# KiCad board FreeDSP_INTEGRA_QUAD-PRO.kicad_pcb (continued)
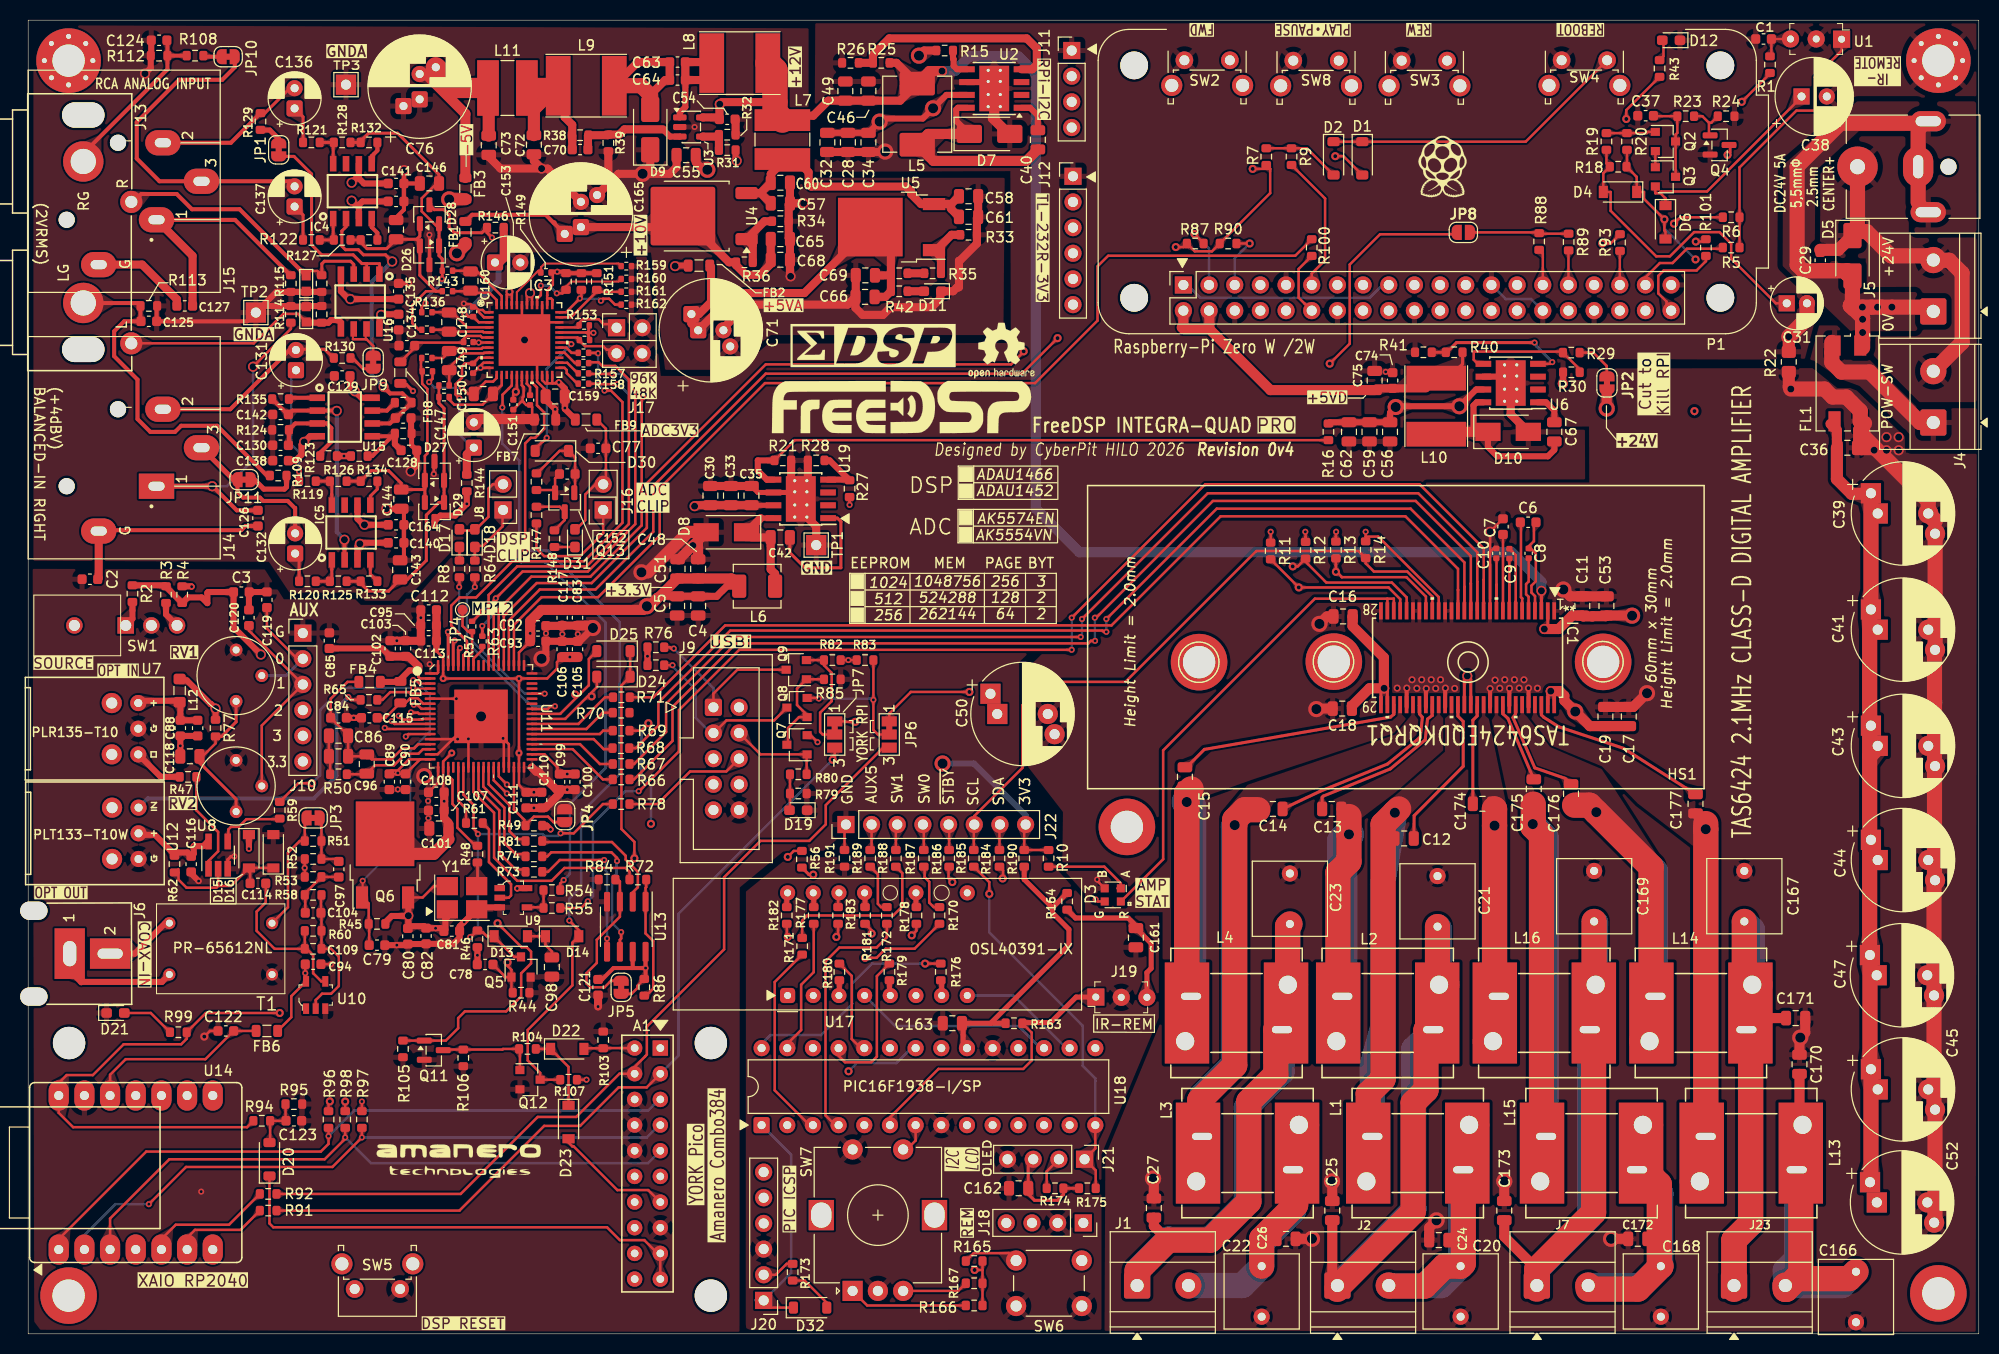
[diagram p0: board, top side]
## Library data of the parts (continued)
U2 U6 U19 = -: Datasheet: http://www.ti.com/lit/ds/symlink/tps5430.pdf; Description: SMPS for digital part; JLPCB#: C9864; ki_fp_filters: TI*SO*PowerPAD*ThermalVias*
U3 = -: Datasheet: https://www.ti.com/lit/ds/symlink/lm2611.pdf; Description: Negativer 3MHz SMPS; JLPCB#: C2072505; ki_fp_filters: SOT?23*
U4 U5 = -: Datasheet: https://datasheet.lcsc.com/lcsc/2304140030_UTC-Unisonic-Tech-LM317AG-TN3-R_C75510.pdf; Description: Voltage Regurator for Analog; JLPCB#: C77880; ki_fp_filters: TO?252*
U7 = -: Description: Optical S/PDIF RX (max. 16Mbps); JLPCB#: HAND; ki_fp_filters: OPT SPDIF RX
U8 = -: Datasheet: http://www.ti.com/lit/sg/scyt129e/scyt129e.pdf; Description: EXOR for Maerge S/PDIF Signals; JLPCB#: C73458; ki_fp_filters: SOT* SG-*
U9 = -: Datasheet: http://www.ti.com/lit/ds/symlink/sn74lvc1g04.pdf; Description: IC INVERTER 1CH 1-INP SOT23-5; JLPCB#: C434067; Digi-Key_PN: 296-11599-1-ND; MPN: SN74LVC1G04DBVR; Category: Integrated Circuits (ICs); Family: Logic - Gates and Inverters; DK_Datasheet_Link: http://www.ti.com/lit/ds/symlink/sn74lvc1g04.pdf; DK_Detail_Page: /product-detail/en/texas-instruments/SN74LVC1G04DBVR/296-11599-1-ND/385738; Description_1: IC INVERTER 1CH 1-INP SOT23-5; Manufacturer: Texas Instruments; Status: Active
U10 = -: Datasheet: http://www.ti.com/lit/ds/symlink/sn74lvc1g04.pdf; Description: IC INVERTER 1CH 1-INP SOT23-5; JLPCB#: C3007927; Digi-Key_PN: 296-11599-1-ND; MPN: SN74LVC1G04DBVR; Category: Integrated Circuits (ICs); Family: Logic - Gates and Inverters; DK_Datasheet_Link: http://www.ti.com/lit/ds/symlink/sn74lvc1g04.pdf; DK_Detail_Page: /product-detail/en/texas-instruments/SN74LVC1G04DBVR/296-11599-1-ND/385738; Description_1: IC INVERTER 1CH 1-INP SOT23-5; Manufacturer: Texas Instruments; Status: Active
U11 = -: Description: SigmaDSP; JLPCB#: C654414
U12 = -: Description: Optical S/PDIF TX (max. 16Mbps); JLPCB#: HAND; ki_fp_filters: OPT SPDIF TX
U13 = -: Datasheet: http://ww1.microchip.com/downloads/en/DeviceDoc/21832H.pdf; Description: Might be substitute with 256Mbit/512Mbit SPI EEPROM; JLPCB#: C219767
U14 = -: Datasheet: (Alternatve USB-Audio I/F) https://nw-electric.way-nifty.com/blog/files/usb_sound_card28fix_feedback_mclk_led29.uf2; Description: https://wiki.seeedstudio.com/XIAO-RP2040/; JLPCB#: -
U15 = -: Datasheet: http://www.ti.com/lit/ds/symlink/opa1612.pdf; Description: Dual SoundPlus High Performance, Bipolar-Input Audio Operational Amplifiers, SOIC-8; JLPCB#: C94590; ki_fp_filters: SOIC*3.9x4.9mm*P1.27mm* DIP*W7.62mm* TO*99* OnSemi*Micro8* TSSOP*3x3mm*P0.65mm* TSSOP*4.4x3mm*P0.65mm* MSOP*3x3mm*P0.65mm* SSOP*3.9x4.9mm*P0.635mm* LFCSP*2x2mm*P0.5mm* *SIP* SOIC*5.3x6.2mm*P1.27mm*
U16 = -: Description: Dual SoundPlus High Performance, Bipolar-Input Audio Operational Amplifiers, SOIC-8; JLPCB#: C94590; ki_fp_filters: SOIC*3.9x4.9mm*P1.27mm* DIP*W7.62mm* TO*99* OnSemi*Micro8* TSSOP*3x3mm*P0.65mm* TSSOP*4.4x3mm*P0.65mm* MSOP*3x3mm*P0.65mm* SSOP*3.9x4.9mm*P0.635mm* LFCSP*2x2mm*P0.5mm* *SIP* SOIC*5.3x6.2mm*P1.27mm*
U17 = -: Datasheet: https://akizukidenshi.com/goodsaffix/OSL40391-XX.PDF; Description: 4 digit 7 segment hyper red, common anode; JLPCB#: HAND; ki_fp_filters: LTC?4627J*
U18 = -: JLPCB#: HAND; ki_fp_filters: PIC16F1938-X/SP_MCH
Y1 = -: Datasheet: http://www.kyocera.co.jp/prdct/electro/pdf/clock_k_j.pdf; Description: 24.576MHz or 22.5792MHz TCXO 1.6 to 3.63 Volts; Supplier_Name: RS; Manufacturer_Name: AVX Corp/Kyocera Corp; Manufacturer_Part_Number: KC7050K50.0000C1GE00; JLPCB#: C2831388

## Footprints (pads in the part's own frame, mm; a bottom-side part is the same pattern mirrored in y, then rotated)
2MS1T1B4M7QES
  rect 1.635x1.635 hole 1.09: 1(0,0)
  round 1.635 hole 1.09: 2(0,2.54) 3(0,5.08) MH1(0,-5.08)
7G14C47
  round 4 hole 1.8: 1(-5.08,-2.794) 2(5.08,2.794)
  rect 4.4x10 smd: 1(-4.9,0) 2(4.9,0)
  rect 3x3 hole 2x0.7: 1(-4.5,1.65) 2(4.5,-1.65)
ACM9070
  rect 2x1.2 smd: 1(-3.75,1.27) 2(-3.75,-1.27) 3(3.75,1.27) 4(3.75,-1.27)
BarrelJack_2DC-G213-D42
  round 1.6 hole 1.6 unplated: (0,-9)
  round 4 hole 1.5: 1(0,0)
  oval 2x3.5 hole 1x2.5: 2(-4.5,-7) 2(4.5,-7)
  oval 4x3 hole 2.3x1: 2(0,-6)
C0603
  rect 0.9x0.9 smd: 1(-0.762,0) 2(0.762,0)
C_0402_1005Metric
  rrect 0.56x0.62 smd: 1(-0.48,0) 2(0.48,0)
C_0603_1608Metric
  rrect 0.9x0.95 smd: 1(-0.775,0) 2(0.775,0)
C_0805_2012Metric
  rrect 1x1.45 smd: 1(-0.95,0) 2(0.95,0)
C_Rect_L7.2mm_W7.2mm_P5.00mm_FKS2_FKP2_MKS2_MKP2
  round 1.6 hole 0.8: 1(0,0) 2(5,0)
Combo384
  round 3.2 hole 3.2 unplated: (-0.5,-5) (-0.5,58.5) (24.5,-5)
  rect 1.524x1.524 hole 0.762: 1(0,0)
  round 1.524 hole 0.762: 2(2.54,0) 3(5.08,0) 4(7.62,0) 5(10.16,0) 6(12.7,0) 7(15.24,0) 8(17.78,0) 9(20.32,0) 10(22.86,0) 11(0,2.54) 12(2.54,2.54) 13(5.08,2.54) 14(7.62,2.54) 15(10.16,2.54) 16(12.7,2.54) 17(15.24,2.54) 18(17.78,2.54) 19(20.32,2.54) 20(22.86,2.54)
CP_Radial_D5.0mm_P2.00mm
  rect 1.6x1.6 hole 0.8: 1(0,0)
  round 1.6 hole 0.8: 2(2,0)
CP_Radial_D5.0mm_P2.00mm#2
  rrect 1.6x1.6 hole 0.8: 1(0,0)
  round 1.6 hole 0.8: 2(2,0)
CP_Radial_D5.0mm_P2.50mm
  rrect 1.6x1.6 hole 0.8: 1(0,0)
  round 1.6 hole 0.8: 2(2.5,0)
CP_Radial_D7.5mm_P2.50mm
  rect 1.6x1.6 hole 0.8: 1(0,0)
  round 1.6 hole 0.8: 2(2.5,0)
CP_Radial_D10.0mm_P2.50mm_P5.00mm
  rrect 1.6x1.6 hole 0.8: 1(-0.671,1.6) 1(0,0)
  round 1.6 hole 0.8: 2(2.5,0) 2(3.171,-1.6)
CP_Radial_D10.0mm_P5.00mm_P7.50mm
  rect 2x2 hole 1: 1(-0.672,2) 1(0,0)
  round 2 hole 1: 2(5,0) 2(5.672,-2)
Crystal_SMD_TXC_7M-4pin_3.2x2.5mm_HandSoldering
  rect 2.1x1.8 smd: 1(-1.45,-1.15) 2(1.45,-1.15) 3(1.45,1.15) 4(-1.45,1.15)
D_SMA
  rect 2.5x1.8 smd: 1(-2,0) 2(2,0)
D_SMA#2
  rrect 2.5x1.8 smd: 1(-2,0) 2(2,0)
D_SOD-123
  rect 0.9x1.2 smd: 1(-1.65,0) 2(1.65,0)
D_SOD-123#2
  rrect 0.9x1.2 smd: 1(-1.65,0) 2(1.65,0)
DIP-28_W7.62mm
  rrect 1.6x1.6 hole 0.8: 1(0,0)
  round 1.6 hole 0.8: 2(0,-2.54) 3(0,-5.08) 4(0,-7.62) 5(0,-10.16) 6(0,-12.7) 7(0,-15.24) 8(0,-17.78) 9(0,-20.32) 10(0,-22.86) 11(0,-25.4) 12(0,-27.94) 13(0,-30.48) 14(0,-33.02) 15(7.62,-33.02) 16(7.62,-30.48) 17(7.62,-27.94) 18(7.62,-25.4) 19(7.62,-22.86) 20(7.62,-20.32) 21(7.62,-17.78) 22(7.62,-15.24) 23(7.62,-12.7) 24(7.62,-10.16) 25(7.62,-7.62) 26(7.62,-5.08) 27(7.62,-2.54) 28(7.62,0)
IDC-Header_2x05_P2.54mm_Vertical
  rrect 1.7x1.7 hole 1: 1(0,0)
  round 1.7 hole 1: 2(2.54,0) 3(0,-2.54) 4(2.54,-2.54) 5(0,-5.08) 6(2.54,-5.08) 7(0,-7.62) 8(2.54,-7.62) 9(0,-10.16) 10(2.54,-10.16)
IR_Receiver_TSOP38238
  rect 1.7x1.7 hole 0.7: 1(0.025,0.025)
  round 1.7 hole 0.7: 2(2.54,0) 3(5.08,0)
L_0805_2012Metric
  rrect 0.875x1.2 smd: 1(-1.062,0) 2(1.062,0)
L_0805_2012Metric_Pad1.05x1.20mm_HandSolder
  rrect 1.05x1.2 smd: 1(-1.15,0) 2(1.15,0)
L_Chilisin_BMRB00060650
  rrect 2.35x3.5 smd: 1(-3.025,0) 2(3.025,0)
L_Ferrocore_DLG-0504
  rect 2.15x5.5 smd: 1(-1.925,0) 2(1.925,0)
L_Taiyo-Yuden_NR-60xx_HandSoldering
  rect 2.45x5.9 smd: 1(-2.775,0) 2(2.775,0)
L_TechFuse_SL0420
  rrect 1.4x2.3 smd: 1(-1.775,0) 2(1.775,0)
LED_0603_1608Metric_Pad1.05x0.95mm_HandSolder
  rrect 1.05x0.95 smd: 1(-0.875,0) 2(0.875,0)
LED_0603_ABGR
  rect 0.8x0.8 smd: 1(-0.8,-0.65) 2(0.8,-0.65) 3(0.8,0.65) 4(-0.8,0.65)
LFCSP-72-1EP_10x10mm_P0.5mm_EP5.3x5.3mmL_HandSolder
  rrect 1.42x1.42 smd: (-1.77,1.77) (-1.77,0) (-1.77,-1.77) (0,1.77) (0,0) (0,-1.77) (1.77,1.77) (1.77,0) (1.77,-1.77)
  rrect 1.075x0.25 smd: 1(-5.037,4.25) 2(-5.037,3.75) 3(-5.037,3.25) 4(-5.037,2.75) 5(-5.037,2.25) 6(-5.037,1.75) 7(-5.037,1.25) 8(-5.037,0.75) 9(-5.037,0.25) 10(-5.037,-0.25) 11(-5.037,-0.75) 12(-5.037,-1.25) 13(-5.037,-1.75) 14(-5.037,-2.25) 15(-5.037,-2.75) 16(-5.037,-3.25) 17(-5.037,-3.75) 18(-5.037,-4.25) 37(5.037,-4.25) 38(5.037,-3.75) 39(5.037,-3.25) 40(5.037,-2.75) 41(5.037,-2.25) 42(5.037,-1.75) 43(5.037,-1.25) 44(5.037,-0.75) 45(5.037,-0.25) 46(5.037,0.25) 47(5.037,0.75) 48(5.037,1.25) 49(5.037,1.75) 50(5.037,2.25) 51(5.037,2.75) 52(5.037,3.25) 53(5.037,3.75) 54(5.037,4.25)
  rrect 0.25x1.075 smd: 19(-4.25,-5.037) 20(-3.75,-5.037) 21(-3.25,-5.037) 22(-2.75,-5.037) 23(-2.25,-5.037) 25(-1.25,-5.037) 26(-0.75,-5.037) 27(-0.25,-5.037) 28(0.25,-5.037) 29(0.75,-5.037) 30(1.25,-5.037) 31(1.75,-5.037) 32(2.25,-5.037) 33(2.75,-5.037) 34(3.25,-5.037) 35(3.75,-5.037) 36(4.25,-5.037) 55(4.25,5.037) 56(3.75,5.037) 57(3.25,5.037) 58(2.75,5.037) 59(2.25,5.037) 60(1.75,5.037) 61(1.25,5.037) 62(0.75,5.037) 63(0.25,5.037) 64(-0.25,5.037) 65(-0.75,5.037) 66(-1.25,5.037) 67(-1.75,5.037) 68(-2.25,5.037) 69(-2.75,5.037) 70(-3.25,5.037) 71(-3.75,5.037) 72(-4.25,5.037)
  rrect 0.25x1 smd: 24(-1.75,-5.037)
  rect 5.3x5.3 smd: 73(0,0)
LTC-4627Jx
  rrect 1.5x1.5 hole 0.7: 1(0,0)
  round 1.5 hole 0.7: 2(0,-2.54) 3(0,-5.08) 4(0,-7.62) 5(0,-10.16) 6(0,-12.7) 7(0,-15.24) 8(0,-17.78) 9(10.16,-17.78) 11(10.16,-12.7) 13(10.16,-7.62) 14(10.16,-5.08) 15(10.16,-2.54) 16(10.16,0)
MJ-518A
  oval 2.5x4.2 hole 2.5x4.2 unplated: (-11.6,-0.039) (11.6,-0.039)
  round 2.2 hole 1.2: 1(3,-4.789) 3(-11,-4.789)
  round 4 hole 2.5: 2(7,-0.039) 4(-7,-0.039)
MountingHole_3.2mm_M3_DIN965_Pad
  round 5.6 hole 3.2: 1(0,0)
MountingHole_3.2mm_M3_DIN965_Pad_TopBottom
  round 3.6 hole 3.2: 1(0,0)
  round 5.6 smd: 1(0,0)
  round 5.6 smd far side: 1(0,0)
MountingHole_3.2mm_M3_Pad_Via
  round 0.8 hole 0.5: 1(-2.4,0) 1(-1.697,1.697) 1(-1.697,-1.697) 1(0,2.4) 1(0,-2.4) 1(1.697,1.697) 1(1.697,-1.697) 1(2.4,0)
  round 6.4 hole 3.2: 1(0,0)
MPJ-8004-3P
  round 1.6 hole 1.6 unplated: (-3.81,-3.11) (3.81,-8.19)
  oval 2.5x3.5 hole 0.9x1.6: 1(3.81,0.7) 2(-3.81,1.33) 3(0,5.15) G(8.25,-5.02)
MPJ-8004-3P#2
  round 1.6 hole 1.6 unplated: (-3.81,-3.11) (3.81,-8.19)
  rect 2.5x3.5 hole 0.9x1.6: 1(3.81,0.7)
  oval 2.5x3.5 hole 0.9x1.6: 2(-3.81,1.33) 3(0,5.15) G(8.25,-5.02)
PE65612NL
  round 1.2 hole 0.7: 1(0,0) 2(0,5.08) 3(10.16,0) 4(10.16,5.08)
PinHeader_1x02_P2.54mm_Vertical
  rect 1.7x1.7 hole 1: 1(0,0)
  oval 1.7x1.7 hole 1: 2(0,-2.54)
PinHeader_1x04_P2.54mm_Vertical
  rect 1.7x1.7 hole 1: 1(0,0)
  oval 1.7x1.7 hole 1: 2(0,-2.54) 3(0,-5.08) 4(0,-7.62)
PinHeader_1x04_P2.54mm_Vertical#2
  rect 1.7x1.7 hole 1: 1(0,0)
  round 1.7 hole 1: 2(0,-2.54) 3(0,-5.08) 4(0,-7.62)
PinHeader_1x06_P2.54mm_Vertical
  rect 1.7x1.7 hole 1: 1(0,0)
  round 1.7 hole 1: 2(0,-2.54) 3(0,-5.08) 4(0,-7.62) 5(0,-10.16) 6(0,-12.7)
PinHeader_1x06_P2.54mm_Vertical#2
  rect 1.7x1.7 hole 1: 1(0,0)
  oval 1.7x1.7 hole 1: 2(0,-2.54) 3(0,-5.08) 4(0,-7.62) 5(0,-10.16) 6(0,-12.7)
PinHeader_1x08_P2.54mm_Vertical
  rect 1.7x1.7 hole 1: 1(0,0)
  round 1.7 hole 1: 2(0,-2.54) 3(0,-5.08) 4(0,-7.62) 5(0,-10.16) 6(0,-12.7) 7(0,-15.24) 8(0,-17.78)
PinHeader_2x01_P2.54mm_Vertical
  rect 1.7x1.7 hole 1: 1(0,0)
  round 1.7 hole 1: 2(2.54,0)
PinHeader_2x02_P2.54mm_Vertical
  rect 1.7x1.7 hole 1: 1(0,0)
  round 1.7 hole 1: 2(2.54,0) 3(0,-2.54) 4(2.54,-2.54)
PinSocket_1x04_P2.54mm_Vertical
  rect 1.7x1.7 hole 1: 1(0,0)
  round 1.7 hole 1: 2(0,-2.54) 3(0,-5.08) 4(0,-7.62)
PLR135-T10
  round 2 hole 1.1: (-2.54,2.62) (2.54,2.62)
  round 1.6 hole 0.8: 1(2.54,0) 2(0,0) 3(-2.54,0)
PLT133-T10W
  round 2 hole 1.1: (-2.54,2.62) (2.54,2.62)
  round 1.6 hole 0.8: 1(2.54,0) 2(0,0) 3(-2.54,0)
Potentiometer_Trimmer_Bourns_3339P_Horizontal
  round 1.26 hole 0.7: 1(0,0) 2(-2.54,2.54) 3(0,5.08)
QFN48_AKM
  rect 0.813x0.254 smd: 1(-3.454,2.75) 2(-3.454,2.25) 3(-3.454,1.75) 4(-3.454,1.25) 5(-3.454,0.75) 6(-3.454,0.25) 7(-3.454,-0.25) 8(-3.454,-0.75) 9(-3.454,-1.25) 10(-3.454,-1.75) 11(-3.454,-2.25) 12(-3.454,-2.75) 25(3.454,-2.75) 26(3.454,-2.25) 27(3.454,-1.75) 28(3.454,-1.25) 29(3.454,-0.75) 30(3.454,-0.25) 31(3.454,0.25) 32(3.454,0.75) 33(3.454,1.25) 34(3.454,1.75) 35(3.454,2.25) 36(3.454,2.75)
  rect 0.254x0.813 smd: 13(-2.75,-3.454) 14(-2.25,-3.454) 15(-1.75,-3.454) 16(-1.25,-3.454) 17(-0.75,-3.454) 18(-0.25,-3.454) 19(0.25,-3.454) 20(0.75,-3.454) 21(1.25,-3.454) 22(1.75,-3.454) 23(2.25,-3.454) 24(2.75,-3.454) 37(2.75,3.454) 38(2.25,3.454) 39(1.75,3.454) 40(1.25,3.454) 41(0.75,3.454) 42(0.25,3.454) 43(-0.25,3.454) 44(-0.75,3.454) 45(-1.25,3.454) 46(-1.75,3.454) 47(-2.25,3.454) 48(-2.75,3.454)
  rect 5.105x5.105 smd: 49(0,0)
R_0402_1005Metric
  rrect 0.54x0.64 smd: 1(-0.51,0) 2(0.51,0)
R_0603_1608Metric
  rrect 0.8x0.95 smd: 1(-0.825,0) 2(0.825,0)
R_0805_2012Metric_Pad1.20x1.40mm_HandSolder
  rrect 1.2x1.4 smd: 1(-1,0) 2(1,0)
Raspberry_Pi_Zero_Socketed_THT_FaceDown_MountingHoles
  round 2.75 hole 2.75 unplated: (-1.27,4.87) (-1.27,-53.13) (21.73,4.87) (21.73,-53.13)
  rect 1.7x1.7 hole 1: 1(0,0)
  oval 1.7x1.7 hole 1: 2(-2.54,0) 3(0,-2.54) 4(-2.54,-2.54) 5(0,-5.08) 6(-2.54,-5.08) 7(0,-7.62) 8(-2.54,-7.62) 9(0,-10.16) 10(-2.54,-10.16) 11(0,-12.7) 12(-2.54,-12.7) 13(0,-15.24) 14(-2.54,-15.24) 15(0,-17.78) 16(-2.54,-17.78) 17(0,-20.32) 18(-2.54,-20.32) 19(0,-22.86) 20(-2.54,-22.86) 21(0,-25.4) 22(-2.54,-25.4) 23(0,-27.94) 24(-2.54,-27.94) 25(0,-30.48) 26(-2.54,-30.48) 27(0,-33.02) 28(-2.54,-33.02) 29(0,-35.56) 30(-2.54,-35.56) 31(0,-38.1) 32(-2.54,-38.1) 33(0,-40.64) 34(-2.54,-40.64) 35(0,-43.18) 36(-2.54,-43.18) 37(0,-45.72) 38(-2.54,-45.72) 39(0,-48.26) 40(-2.54,-48.26)
RJ-2410N
  oval 1.8x2.7 hole 1.8x2.7 unplated: (-4.25,-0.45) (4.25,-0.45)
  rect 3x4 hole 1x2.5: 1(0,-8)
  rect 5x3 hole 2.5x1.3: 2(0,-4)
RotaryEncoder_TT-Ele_EN11-HSB1AF15
  rect 2x2 hole 1: A(0,0)
  round 2 hole 1: B(0,-5) C(0,-2.5) D(14,0) E(14,-5)
  rect 3x2.5 hole 2.5x2: MP(7.5,3.1) MP(7.5,-8.1)
SOIC127P600X175-8N
  rect 1.525x0.65 smd: 1(-2.712,1.905) 2(-2.712,0.635) 3(-2.712,-0.635) 4(-2.712,-1.905) 5(2.712,-1.905) 6(2.712,-0.635) 7(2.712,0.635) 8(2.712,1.905)
SOIC-8_3.9x4.9mm_P1.27mm
  rrect 1.95x0.6 smd: 1(-2.475,1.905) 2(-2.475,0.635) 3(-2.475,-0.635) 4(-2.475,-1.905) 5(2.475,-1.905) 6(2.475,-0.635) 7(2.475,0.635) 8(2.475,1.905)
SolderJumper-2_P1.3mm_Bridged_RoundedPad1.0x1.5mm
  custom 1x1.5 smd: 1(-0.65,0) 2(0.65,0)
SolderJumper-2_P1.3mm_Open_RoundedPad1.0x1.5mm
  custom 1x1.5 smd: 1(-0.65,0) 2(0.65,0)
SolderJumper-3_P1.3mm_Bridged12_Pad1.0x1.5mm_NumberLabels
  rect 1x1.5 smd: 1(-1.3,0) 2(0,0) 3(1.3,0)
SOT-23
  rect 0.9x0.8 smd: 1(-1,0.95) 2(-1,-0.95) 3(1,0)
SOT-23#2
  rrect 1.475x0.6 smd: 1(-0.938,0.95) 2(-0.938,-0.95) 3(0.938,0)
SOT-23-5
  rrect 1.325x0.6 smd: 1(-1.137,0.95) 2(-1.137,0) 3(-1.137,-0.95) 4(1.137,-0.95) 5(1.137,0.95)
SOT-23-5_HandSoldering
  rect 1.56x0.65 smd: 1(-1.35,0.95) 2(-1.35,0) 3(-1.35,-0.95) 4(1.35,-0.95) 5(1.35,0.95)
SOT-753
  rect 0.6x1.05 smd: 1(-0.95,-1.35) 2(0,-1.35) 3(0.95,-1.35) 4(0.95,1.35) 5(-0.95,1.35)
SW_PUSH_6mm_H4.3mm
  round 2 hole 1.1: 1(0,0) 1(6.5,0) 2(0,-4.5) 2(6.5,-4.5)
SW_Tactile_SPST_Angled_PTS645Vx83-2LFS
  round 2.1 hole 1.3: (-1.25,-2.49) (5.76,-2.49)
  round 1.75 hole 0.99: 1(0,0) 2(4.5,0)
TAS6424QDKQ56_TEX-L
  rect 1.692x0.37 smd: 1(-4.641,8.572) 2(-4.641,7.938) 3(-4.641,7.303) 4(-4.641,6.668) 5(-4.641,6.032) 6(-4.641,5.397) 7(-4.641,4.763) 8(-4.641,4.128) 9(-4.641,3.493) 10(-4.641,2.857) 11(-4.641,2.223) 12(-4.641,1.587) 13(-4.641,0.953) 14(-4.641,0.318) 15(-4.641,-0.318) 16(-4.641,-0.953) 17(-4.641,-1.587) 18(-4.641,-2.223) 19(-4.641,-2.857) 20(-4.641,-3.493) 21(-4.641,-4.128) 22(-4.641,-4.763) 23(-4.641,-5.397) 24(-4.641,-6.032) 25(-4.641,-6.668) 26(-4.641,-7.303) 27(-4.641,-7.938) 28(-4.641,-8.572) 29(4.641,-8.572) 30(4.641,-7.938) 31(4.641,-7.303) 32(4.641,-6.668) 33(4.641,-6.032) 34(4.641,-5.397) 35(4.641,-4.763) 36(4.641,-4.128) 37(4.641,-3.493) 38(4.641,-2.857) 39(4.641,-2.223) 40(4.641,-1.587) 41(4.641,-0.953) 42(4.641,-0.318) 43(4.641,0.318) 44(4.641,0.953) 45(4.641,1.587) 46(4.641,2.223) 47(4.641,2.857) 48(4.641,3.493) 49(4.641,4.128) 50(4.641,4.763) 51(4.641,5.397) 52(4.641,6.032) 53(4.641,6.668) 54(4.641,7.303) 55(4.641,7.938) 56(4.641,8.572)
TerminalBlock_Phoenix_MKDS-1,5-2-5.08_1x02_P5.08mm_Horizontal
  rrect 2.6x2.6 hole 1.3: 1(0,0)
  round 2.6 hole 1.3: 2(5.08,0)
TestPoint_Pad_D1.0mm
  round 1 smd: 1(0,0)
TestPoint_THTPad_2.0x2.0mm_Drill1.0mm
  rect 2x2 hole 1: 1(0,0)
TI_SO-PowerPAD-8_ThermalVias
  rect 1.55x0.6 smd: 1(-2.7,1.905) 2(-2.7,0.635) 3(-2.7,-0.635) 4(-2.7,-1.905) 5(2.7,-1.905) 6(2.7,-0.635) 7(2.7,0.635) 8(2.7,1.905)
  round 0.6 hole 0.3: 9(-0.6,1.8) 9(-0.6,0.6) 9(-0.6,-0.7) 9(-0.6,-1.8) 9(0.6,1.8) 9(0.6,0.6) 9(0.6,-0.7) 9(0.6,-1.8)
  rect 2.6x3.1 smd: 9(0,0)
  rect 2.95x4.5 smd: 9(0,0)
  rect 2.95x4.5 smd far side: 9(0,0)
TO-252-2
  rect 3.05x2.75 smd: (0.425,1.525) (0.425,-1.525) (3.775,1.525) (3.775,-1.525)
  rect 2.2x1.2 smd: 1(-4.2,2.28) 3(-4.2,-2.28)
  rect 6.4x5.8 smd: 2(2.1,0)
TO-252-2#2
  rrect 3.05x2.75 smd: (-0.415,1.525) (-0.415,-1.525) (2.935,1.525) (2.935,-1.525)
  rrect 2.2x1.2 smd: 1(-5.04,2.28) 3(-5.04,-2.28)
  rrect 6.4x5.8 smd: 2(1.26,0)
XIAO_RP2040
  oval 2x3 hole 0.9: 1(-7.62,-7.62) 2(-5.08,-7.62) 3(-2.54,-7.62) 4(0,-7.62) 5(2.54,-7.62) 6(5.08,-7.62) 7(7.62,-7.62) 8(7.62,7.62) 9(5.08,7.62) 10(2.54,7.62) 11(0,7.62) 12(-2.54,7.62) 13(-5.08,7.62) 14(-7.62,7.62)

## Nets
+3.3V: C4.2 C5.1 C48.2 C51.1 C77.2 C78.1 C80.2 C81.2 C82.2 C83.2 C85.2 C89.1 C90.2 C92.1 C93.2 C94.2 C99.1 C100.2 C102.1 C103.2 C116.2 C117.1 C121.2 D15.1 D17.2 D18.2 D31.2 FB4.1 FB5.1 FB6.2 FB9.2 IC1.19 J8.2 J10.6 J16.2 J22.8 JP5.2 L6.1 L12.2 Q6.3 Q7.2 R4.1 R10.2 R11.1 R12.1 R13.1 R14.1 R15.1 R27.1 R45.2 R46.2 R49.1 R62.1 R75.2 R76.1 R77.2 R82.2 R83.1 R86.2 R107.1 R190.2 U8.5 U9.5 U10.5 U11.2 U11.18 U11.38 U11.56 U12.2 U13.7 U13.8 Y1.1 Y1.4
+3.3VP: J11.2 P1.1 P1.17 R1.1 R7.1 R87.2 R90.1
+5V: C74.2 C75.1 L10.1 P1.2 P1.4 R40.1 R43.1
+5VA: D28.3 D29.3 FB2.2 FB8.1 R31.2 R110.1 R123.1 R144.2 R146.2
+10V: C129.2 C134.2 C139.2 C140.2 FB1.2 IC4.3 IC5.3 U15.8 U16.8
+12V: C46.2 C49.1 C54.1 C55.1 IC1.3 L5.1 L7.2 L8.2 R25.1 U3.5
+24V: C11.1 C16.1 C17.1 C18.1 C19.1 C28.1 C30.1 C32.1 C33.1 C34.2 C35.2 C36.1 C39.1 C41.1 C43.1 C44.1 C45.1 C47.1 C50.1 C52.1 C53.2 C56.1 C59.1 C62.2 D4.1 D6.2 FL1.4 IC1.2 IC1.29 IC1.30 IC1.42 IC1.43 IC1.55 IC1.56 JP2.2 R16.1 R18.1 R20.1 U2.7 U6.7 U19.7
-5VA: C130.2 C135.2 C141.2 C164.1 FB3.2 IC4.6 IC5.6 U15.4 U16.4
/YAM_DSP-ADC_IO/DVDD: C95.2 C101.2 C105.1 C106.2 C107.1 C108.2 C110.1 C111.2 C112.1 C113.2 Q6.2 U11.20 U11.35 U11.53 U11.71
/YAM_DSP-ADC_IO/VBUS: A1.1 R94.2 R99.1 U14.14
GND: A1.8 A1.13 A1.14 A1.15 C1.2 C2.1 C3.2 C4.1 C5.2 C28.2 C30.2 C31.2 C32.2 C33.2 C34.1 C35.1 C37.1 C38.2 C46.1 C48.1 C49.2 C51.2 C56.2 C59.2 C62.1 C74.1 C75.2 C77.1 C79.1 C80.1 C81.1 C82.1 C83.1 C84.2 C85.1 C87.2 C88.2 C89.2 C90.1 C92.2 C93.1 C94.1 C95.1 C98.1 C99.2 C100.1 C101.1 C102.2 C103.1 C105.2 C106.1 C107.2 C108.1 C110.2 C111.1 C112.2 C113.1 C115.2 C116.1 C117.2 C118.2 C119.2 C120.2 C121.1 C122.1 C123.1 C152.2 C159.2 D7.2 D8.2 D10.2 D12.1 D16.2 D19.1 D21.1 FB7.2 H7.1 IC3.21 IC3.34 IC3.39 IC3.43 IC3.49 J9.10 J10.1 J11.1 J12.1 J17.2 J17.4 J22.1 JP4.1 P1.6 P1.9 P1.14 P1.20 P1.25 P1.30 P1.34 P1.39 Q4.2 Q5.2 Q11.2 Q12.2 Q13.2 R21.2 R22.1 R24.2 R26.2 R28.2 R30.2 R41.2 R44.2 R52.2 R53.2 R79.1 R84.2 R85.1 R95.2 R103.1 R105.2 R106.2 R145.2 R159.2 R160.2 R161.2 R162.2 R191.2 RV1.1 RV2.1 SW1.2 SW2.1 SW3.1 SW4.1 SW5.1 SW8.1 T1.3 TP1.1 U1.2 U2.6 U2.9 U6.6 U6.9 U7.2 U8.3 U9.3 U10.3 U11.1 U11.6 U11.14 U11.17 U11.19 U11.25 U11.32 U11.33 U11.36 U11.37 U11.54 U11.55 U11.72 U11.73 U12.3 U13.4 U14.13 U19.6 U19.9 Y1.2
GNDA: C54.2 C55.2 C57.2 C58.2 C60.2 C61.2 C65.2 C66.2 C68.2 C69.2 C71.2 C72.2 C73.2 C76.1 C124.1 C125.1 C128.2 C129.1 C130.1 C133.2 C134.1 C135.1 C138.2 C139.1 C140.1 C141.1 C142.2 C143.2 C144.1 C145.2 C146.1 C147.2 C151.1 C153.2 C154.2 C155.2 C156.2 C157.2 C158.2 C164.2 C165.2 D9.1 D11.1 D26.3 D27.3 FB7.1 IC3.1 IC3.2 IC3.7 IC3.11 IC3.12 IC3.18 R32.1 R33.1 R34.1 R39.2 R111.2 R112.2 R113.2 R114.2 R115.2 R116.2 R117.2 R124.2 RV3.2 RV4.2 TP2.1 TP3.1 U3.2
GNDD: C161.2 C162.1 C163.2 J18.2 J19.2 J20.3 J21.4 R191.1 SW6.1 SW7.C SW7.D U18.8 U18.19
GNDS: C7.1 C10.1 C11.2 C16.2 C17.2 C18.2 C19.2 C20.1 C21.1 C22.1 C23.1 C24.1 C25.1 C26.1 C27.1 C36.2 C39.2 C41.2 C43.2 C44.2 C45.2 C47.2 C50.2 C52.2 C53.1 C166.1 C167.1 C168.1 C169.1 C170.1 C171.1 C172.1 C173.1 D3.2 FL1.3 IC1.1 IC1.11 IC1.17 IC1.18 IC1.22 IC1.23 IC1.28 IC1.33 IC1.36 IC1.39 IC1.46 IC1.49 IC1.52 R22.2
VDD: C162.2 C163.1 J20.2 J21.3 R163.1 R164.1 R165.1 R166.1 R167.1 R173.2 R174.1 R175.1 R190.1 U18.20
+VSW: A1.9 A1.10 D20.1
/Audio_ADC/ADC_3V3: C151.2 C159.1 FB9.1 IC3.17 IC3.22 IC3.23 IC3.24 IC3.32 IC3.37 IC3.38 IC3.41 IC3.42 IC3.45 IC3.46 R149.1 R150.1 R151.1 R152.1 R153.1 R154.1
/Audio_ADC/ADC_BIAS: C133.1 IC4.2 R118.1 U15.6
/Audio_ADC/LEFT_COLD: C137.2 J15.3 JP10.2
/Audio_ADC/LEFT_HOT: C136.2 J15.2 R129.1
/Audio_ADC/OVF: D30.2 IC3.30
/Audio_ADC/RIGHT_COLD: C132.2 J14.3 JP11.2
/Audio_ADC/RIGHT_HOT: C131.2 J14.2 R130.1
/Micom_DIsplay/AMP_STBY: R186.1 U18.18
/Micom_DIsplay/DIG1: U17.1 U18.11
/Micom_DIsplay/DIG2: U17.2 U18.12
/Micom_DIsplay/DIG3: U17.6 U18.13
/Micom_DIsplay/DIG4: U17.8 U18.16
/Micom_DIsplay/DIG5: U17.4 U18.17
/Micom_DIsplay/ICSP_CLK: J20.5 R177.2 U18.27
/Micom_DIsplay/ICSP_DAT: J20.4 R176.2 U18.28
/Micom_DIsplay/IR_SENS: J19.1 R163.2 U18.6
/Micom_DIsplay/MCLR: D32.1 J20.1 U18.1
/Micom_DIsplay/MODE_SW: J18.4 R165.2 SW6.2 SW7.E U18.7
/Micom_DIsplay/PIC_SCL: J21.1 R175.2 R185.1 U18.14
/Micom_DIsplay/PIC_SDA: J21.2 R174.2 R184.1 U18.15
/Micom_DIsplay/RENC_A: J18.1 R166.2 SW7.A U18.10
/Micom_DIsplay/RENC_B: J18.3 R167.2 SW7.B U18.9
/Micom_DIsplay/SEG-a: R183.1 U17.14
/Micom_DIsplay/SEG-b: R182.1 U17.16
/Micom_DIsplay/SEG-c: R181.1 U17.13
/Micom_DIsplay/SEG-d: R180.1 U17.3
/Micom_DIsplay/SEG-dp: R176.1 U17.7
/Micom_DIsplay/SEG-e: R179.1 U17.5
/Micom_DIsplay/SEG-f: R178.1 U17.11
/Micom_DIsplay/SEG-g: R177.1 U17.15
/Micom_DIsplay/SEL_BIT0: R170.2 R187.1
/Micom_DIsplay/SEL_BIT1: R171.2 R188.1
/Micom_DIsplay/SEL_CTRL: R172.2 R189.1
/YAM_DSP-ADC_IO/958RX: R59.1 U11.4
/YAM_DSP-ADC_IO/958TX: R65.2 U12.1
/YAM_DSP-ADC_IO/AES_COLD: J6.2 T1.1
/YAM_DSP-ADC_IO/AES_HOT: J6.1 T1.2
/YAM_DSP-ADC_IO/BCK_USB: A1.4 R97.2 U14.2
/YAM_DSP-ADC_IO/DAT_USB: A1.3 R96.2 U14.1
/YAM_DSP-ADC_IO/EEPROM_1: R72.1 R86.1 U13.1
/YAM_DSP-ADC_IO/EEPROM_2: R81.2 U11.29
/YAM_DSP-ADC_IO/EEPROM_5: R73.1 U13.5
/YAM_DSP-ADC_IO/EEPROM_6: R74.1 U13.6
/YAM_DSP-ADC_IO/GPIO4(GCLK): P1.7
/YAM_DSP-ADC_IO/GPIO5: P1.29 R88.2
/YAM_DSP-ADC_IO/GPIO6: P1.31 R89.2
/YAM_DSP-ADC_IO/GPIO7(SPI1_CE_N): P1.26
/YAM_DSP-ADC_IO/GPIO8(SPI0_CE_N): P1.24
/YAM_DSP-ADC_IO/GPIO9(SPI0_MISO): P1.21
/YAM_DSP-ADC_IO/GPIO10(SPI0_MOSI): P1.19
/YAM_DSP-ADC_IO/GPIO11(SPI0_SCK): P1.23
/YAM_DSP-ADC_IO/GPIO12(PWM0): P1.32
/YAM_DSP-ADC_IO/GPIO13(PWM1): P1.33
/YAM_DSP-ADC_IO/GPIO14(TXD0): J12.5 P1.8
/YAM_DSP-ADC_IO/GPIO15(RXD0): J12.4 P1.10
/YAM_DSP-ADC_IO/GPIO16: P1.36
/YAM_DSP-ADC_IO/GPIO20(SPI1_MOSI): P1.38
/YAM_DSP-ADC_IO/GPIO22(GEN3): P1.15
/YAM_DSP-ADC_IO/GPIO27(GEN2): P1.13
/YAM_DSP-ADC_IO/ID_SC: P1.28
/YAM_DSP-ADC_IO/ID_SD: P1.27
/YAM_DSP-ADC_IO/LRK_USB: A1.5 R98.2 U14.3
/YAM_PSU_IO/PSU+: C29.2 D5.1 J3.1 J4.2 J5.2
/YAM_PSU_IO/PSU-: C29.1 D5.2 FL1.1 J3.2 J5.1
/YAM_PSU_IO/SWITCHED+: FL1.2 J4.1
/~{RASPI_SHUT}: D2.2 R7.2 R9.1
AMA_SCL: A1.2 JP7.3 R91.2
AMA_SDA: A1.12 JP6.3 R92.2
AUX0: C119.1 J10.2 RV1.2 U11.8
AUX1: C120.1 J10.3 RV2.2 U11.9
AUX2: J10.4 U11.10
AUX3: J10.5 U11.11
AUX4: C3.1 R2.1 R3.1 R4.2 U11.12
BCK_IN0: R100.2 U11.57
BCK_IN1: R63.1 R158.2 U11.60
BCK_IN3: R97.1 U11.68
BCK_OUT0: IC1.13 R67.1
DAT_IN0: R101.2 U11.59
DAT_IN1: R156.2 U11.62
DAT_IN2: R155.2 U11.67
DAT_IN3: R96.1 U11.70
DAT_OUT0: IC1.15 R68.1
DAT_OUT1: IC1.16 R71.1
DSP_RES: C78.2 JP8.1 Q5.1 R44.1
Earth: C2.2 C126.1 C127.1 J14.G J15.G MH1.1
EX_SCL: JP7.2 Q9.2 R82.1
EX_SDA: JP6.2 Q8.2 R83.2
GPIO17(GEN0): P1.11 R9.2
GPIO23: P1.16 SW3.2
GPIO24: P1.18 SW2.2
GPIO25(GEN6): P1.22 R6.2
GPIO26: P1.37 R5.1 SW8.2
I2C_SCL: J9.1 Q9.3 R76.2 U11.31
I2C_SDA: J9.3 Q8.3 R75.1 U11.30
LRK_IN0: R93.2 U11.58
LRK_IN1: R57.1 R157.2 U11.61
LRK_IN3: R98.1 U11.69
LRK_OUT0: IC1.14 R66.1
MCLK: IC3.16 R54.2
MCLK0: IC1.12 R55.2
MP5: R56.2 R69.1
MP8: R8.2 U11.47
MP9: R64.2 U11.50
MP12: R57.2 TP4.1 U11.66
RP_SCL: D1.2 J11.3 JP7.1 P1.5 R90.2
RP_SDA: J11.4 JP6.1 P1.3 R87.1
SCL: IC1.20 J22.6 R14.2 R185.2
SDA: IC1.21 J22.7 R13.2 R184.2
SRC_BIT0: D24.2 J22.4 R187.2 U11.45
SRC_BIT1: D25.2 J22.3 R188.2 U11.46
SRC_CTRL: J22.2 R189.2 U11.13
USB_ON: C123.2 D20.2 R94.1 R95.1
~{DSP-RESET}: D13.1 Q5.3 R46.1 R78.2 SW5.2 U11.24
~{MUTE}: D3.3 D14.2 IC1.25 IC3.20 Q4.3 Q12.3 R11.2 R107.2
~{STBY}: IC1.24 J22.5 R12.2 R186.2
Net-(A1-DSD_ON): A1.7 D23.2
Net-(A1-MUTE): A1.11 D22.2 R103.2
Net-(C7-Pad2): C7.2 IC1.9
Net-(C10-Pad2): C10.2 IC1.10
Net-(C70-Pad2): C70.2 C72.1 L9.1 L11.2 R38.1
Net-(C73-Pad1): C73.1 C76.2 FB3.1 L11.1
Net-(C86-Pad1): C86.1 C91.1 R50.1
Net-(C104-Pad1): C97.2 C104.1 R53.1 R58.1
Net-(C118-Pad1): C118.1 R77.1 RV1.3 RV2.3
Net-(C126-Pad2): C126.2 J14.1 R114.1
Net-(C127-Pad2): C127.2 J15.1 R115.1
Net-(C131-Pad1): C131.1 R119.1
Net-(C132-Pad1): C132.1 R120.1
Net-(C136-Pad1): C136.1 R121.1
Net-(C137-Pad1): C137.1 R122.1
Net-(C143-Pad1): C143.1 D27.2 D29.1 R125.1 R133.1 R139.1 R141.1
Net-(C144-Pad2): C144.2 D27.1 D29.2 R126.2 R134.2 R138.1 R140.1
Net-(C145-Pad1): C145.1 D26.2 D28.1 R127.1 R131.1 R137.1 R143.1
Net-(C146-Pad2): C146.2 D26.1 D28.2 R128.2 R132.2 R136.1 R142.1
Net-(D1-K): D1.1 D2.1 SW4.2
Net-(D3-A): D3.1 R10.1
Net-(D3-RK): D3.4 IC1.26 IC1.27
Net-(D4-A): C31.1 D4.2 R18.2 R19.2
Net-(D6-K): C38.1 D6.1 Q3.2
Net-(D7-K): C40.2 D7.1 L5.2 U2.8
Net-(D8-K): C42.2 D8.1 L6.2 U19.8
Net-(D9-A): C63.1 C64.1 D9.2 L9.2
Net-(D10-K): C67.2 D10.1 L10.2 U6.8
Net-(D11-A): D11.2 R42.2
Net-(D12-A): D12.2 R43.2
Net-(D13-A): C98.2 D13.2 D14.1
Net-(D15-A): C114.2 D15.2 D16.1 R62.2 U8.2
Net-(D17-K): D17.1 R8.1
Net-(D18-K): D18.1 J8.1 R64.1
Net-(D19-A): D19.2 R79.2 R80.1
Net-(D21-A): D21.2 R99.2
Net-(D22-K): D22.1 D23.1 R104.1
Net-(D24-K): D24.1 D25.1 Q11.1 R105.1
Net-(D30-K): C152.1 D30.1 Q13.1 R145.1
Net-(D31-K): D31.1 R148.2
Net-(D32-A): D32.2 R173.1
Net-(IC1-AREF): C6.1 C8.1 IC1.4
Net-(IC1-AVDD): C9.2 IC1.8
Net-(IC1-AVSS): C9.1 IC1.7
Net-(IC1-BST_1M): C15.2 IC1.31
Net-(IC1-BST_1P): C14.1 IC1.35
Net-(IC1-BST_2M): C13.2 IC1.37
Net-(IC1-BST_2P): C12.1 IC1.41
Net-(IC1-BST_3M): C174.1 IC1.44
Net-(IC1-BST_3P): C175.1 IC1.48
Net-(IC1-BST_4M): C176.1 IC1.50